# KiCad board plinkyblack_hwmidi_jacks.kicad_pcb (continued)
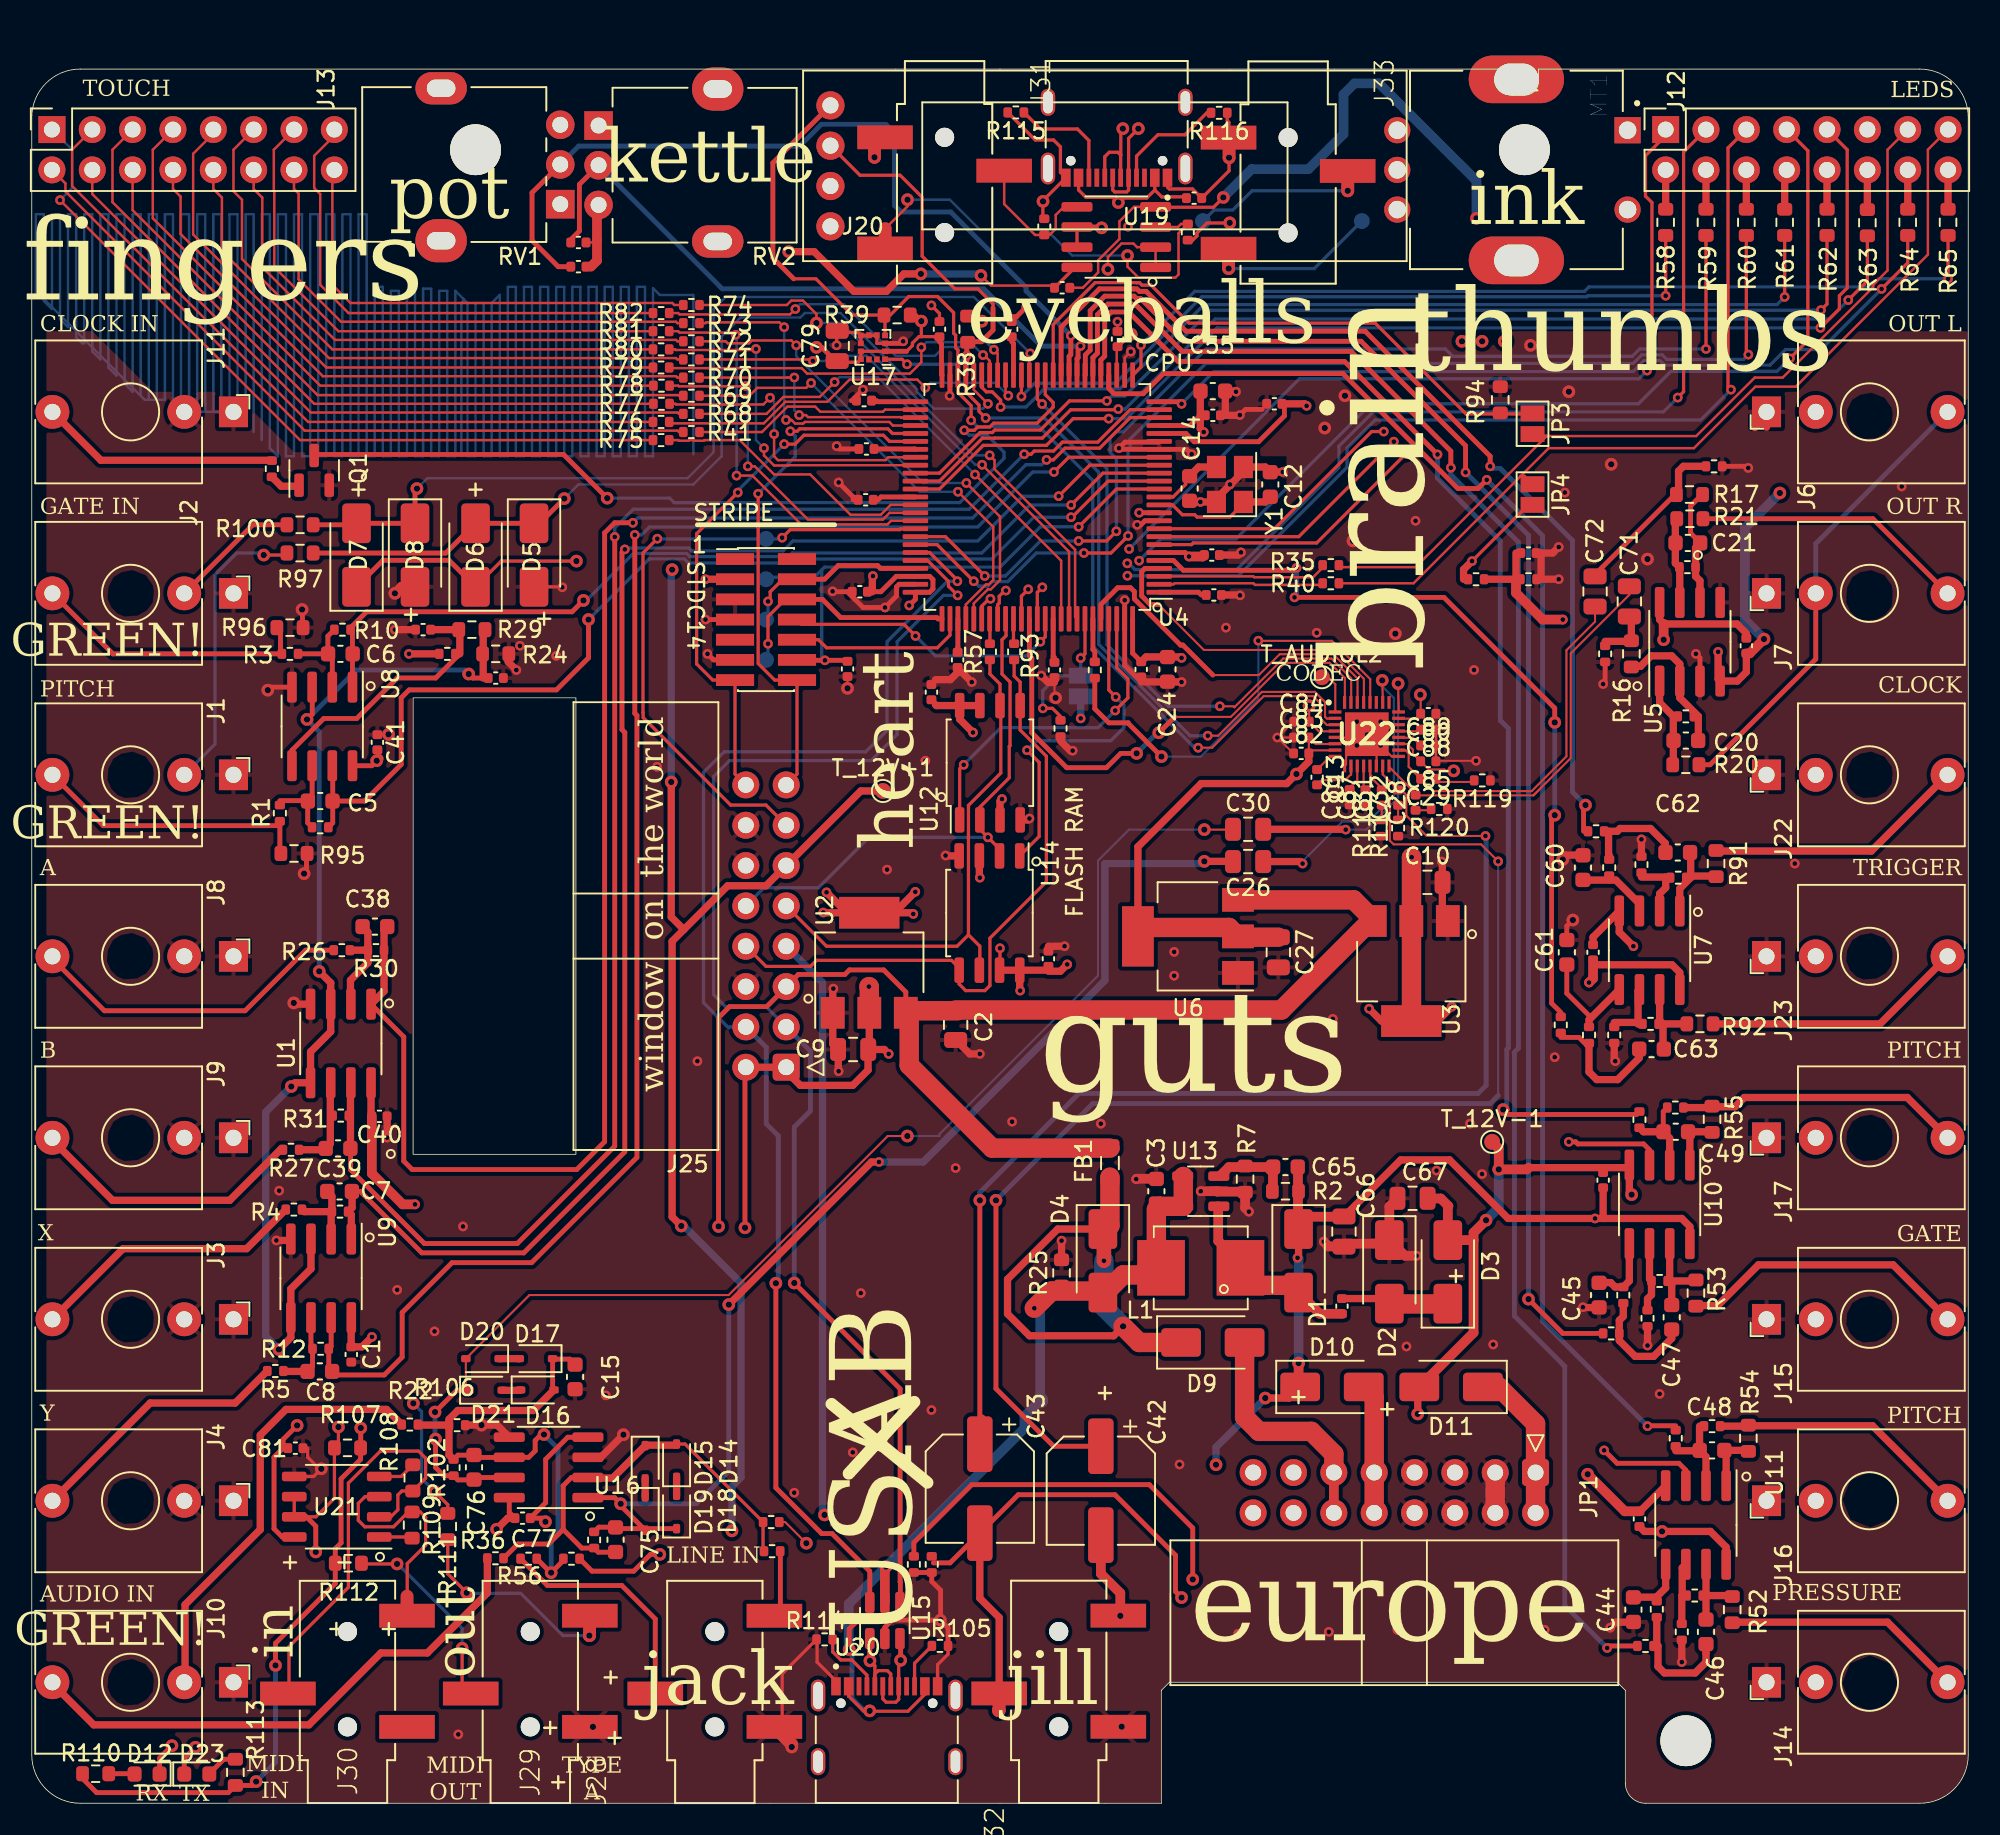
[diagram p0: board, top side]
## Routing (per net, layer and track width the routed paths; a pad name or vN(x,y) marks a point on that pad's centre or on a via; arc(x,y) is an arc through that point) (continued)
AOUT4: length 93.1
  Top w0.305: 98.93,29.59 96.39,29.59 v2(94.23,31.75) ; v1(90.27,83.82) 90.27,85.5 83.69,92.08 72.51,92.08 69.81,94.77 69.55,94.77 69.4,94.92 67.56,94.92 66.64,94 66.64,91.52 66.33,91.22 66.33,89.97 U4.32
  Bottom w0.305: v2(94.23,31.75) 94.23,79.86 v1(90.27,83.82)
AOUT5: length 61.9
  Top w0.305: v1(91.82,84.2) 91.82,84.84 83.95,92.71 72.67,92.71 70.16,95.22 69.73,95.22 69.58,95.37 69.38,95.37 69.38,95.38 67.22,95.38 64.81,92.97 U4.35 ; v2(97.82,62.87) 97.7,62.74 97.7,61.21
  Bottom w0.305: v2(97.82,62.87) 97,63.68 97,79.53 92.46,84.07 91.95,84.07 v1(91.82,84.2)
AOUT6: length 49.6
  Top w0.305: 96.27,49.81 95.69,50.39 95.69,62.03 v2(95.89,62.23) ; v1(79.63,77.8) 79.48,77.65 72.5,77.65 71.88,78.27 U4.5 ; v2(95.89,68.07) 95.89,68.97 88.91,75.95 v1(79.5,75.95)
  Bottom w0.305: v1(79.5,75.95) 79.63,76.07 v1(79.63,77.8) ; v2(95.89,68.07) v2(95.89,62.23)
CC2: length 3
  Top w0.203: U20.B5 55.58,8.82 R105.1
CLKIN: length 57.7
  Top w0.203: v1(58.71,86.47) 59.34,86.47 59.56,86.68 60.32,86.68 60.56,86.92 63.3,86.92 64.31,87.93 64.31,88.22 63.81,88.72 U4.37
  Top w0.305: 17.78,84.95 33.48,84.95 v2(36.23,82.2)
  Bottom w0.203: v1(58.71,86.47) 59.01,86.17 60.14,86.17 61.21,85.09 61.21,84.71 58.42,81.91 40.45,81.91 40.16,82.2 v2(36.23,82.2)
DACDAT: length 32.6
  Top w0.13: 82.67,69.31 82.67,70.87 81.72,71.83 78.9,71.83 75.49,68.42 71.96,68.42
  Top w0.305: U4.87 62.81,72.27 62.96,72.12 62.96,67.42 65.16,65.22 67.66,65.22 68.56,66.12 v2(69.56,66.12) ; 71.96,68.42 v2(70.96,67.42)
  Bottom w0.305: v2(70.96,67.42) 70.86,67.42 v2(69.56,66.12)
DEBUG: length 40
  Top w0.203: v1(39.38,79.64) 38.48,78.74 38.48,68.69 38.49,68.68 38.49,68.37 44,62.87 46.23,62.87 J25.13 ; v1(47.24,79.71) 47.75,80.21 54.64,80.21 54.69,80.26 55.63,80.26
  Bottom w0.203: v1(47.24,79.71) 47.17,79.63 TPDEBUG1.1 39.4,79.63 v1(39.38,79.64)
DM: length 85.5
  Top w0.203: U4.70 56.53,78.77 58.28,77.03 v1(58.28,76.96)
  Top w0.305: v2(46.85,32.75) 46.85,19.87 49.73,16.99 50.38,16.99 52.76,14.61 U15.6
  Bottom w0.203: J25.4 43.94,48.9 43.88,48.83 42.29,50.42 42.29,64.92 43.59,66.22 52.5,66.22 53.85,67.56 53.85,73.15 57.66,76.96 v1(58.28,76.96)
  Bottom w0.305: v2(46.85,32.75) 47,32.91 47,42.03 46.24,42.79 46.24,47.61 J25.4
DM_C: length 204.7
  Top w0.203: v2(69.67,105.47) 69.06,104.86 U19.B7 69.06,101.6 68.93,101.48 68.18,101.48 68.06,101.6 U19.A7 ; v2(52.77,8.97) 53.08,8.66 U20.B7 53.08,8.14 53.29,8.35 53.87,8.35 54.08,8.14 U20.A7
  Top w0.305: v2(52.77,8.97) 52.76,8.98 U15.1
  In2.Cu w0.203: v2(52.77,8.97) 53.46,8.28 58.95,8.28 59.12,8.46 70.99,8.46 74.48,11.94 114.3,11.94 118.47,16.1 118.47,76.02 97.95,96.54 97.95,98.59 96.33,100.21 94.16,100.21 87.24,107.12 74.99,107.12 73.21,105.34 69.79,105.34 v2(69.67,105.47)
DP: length 86.5
  Top w0.203: v1(58.29,76.07) 57.72,76.65 57.72,76.95 56.4,78.27 U4.71
  Top w0.305: v2(48.01,32.77) 54.67,26.1 54.67,13.95 54.69,13.93 54.69,12.67
  Bottom w0.203: v1(58.29,76.07) 57.4,76.07 54.48,73.15 54.48,67.31 52.84,65.67 43.93,65.67 42.93,64.67 42.93,50.93 43.69,50.17 46.23,50.17 J25.3
  Bottom w0.305: J25.3 49.02,47.37 49.02,43.6 48.01,42.59 v2(48.01,32.77)
DP_C: length 202.1
  Top w0.203: U19.B6 67.56,103.7 67.84,103.98 68.38,103.98 68.56,103.8 ; U19.A6 68.56,103.79 68.56,103.8 ; 68.56,103.8 68.56,105.34 v2(68.69,105.47) ; U20.A6 53.58,6.57 53.79,6.36 54.4,6.36 54.58,6.55 U20.B6 54.58,8.88 v2(54.71,9)
  Top w0.305: 54.71,10.32 54.71,9.02
  In2.Cu w0.203: v2(54.71,9) 55.08,8.63 58.81,8.63 58.98,8.8 70.85,8.8 74.5,12.45 114.05,12.45 118.11,16.51 118.11,75.89 105.06,88.95 105.05,88.95 97.61,96.39 97.61,98.45 96.19,99.87 94.01,99.87 87.1,106.78 75.13,106.78 73.18,104.83 69.33,104.83 v2(68.69,105.47)
FSCLK: length 22.7
  Top w0.13: 74.36,71.06 77.26,71.06 78.57,72.37 81.94,72.37 83.47,70.83 83.47,69.31
  Top w0.305: 74.36,71.06 72.47,72.94 72.33,72.94 69.42,75.85 69.42,76.31 69.18,76.56 68.37,76.56 67.31,75.5 U4.96
HPFB: length 1149
  Top w0.13: 82.07,67.11 83.87,67.11 ; C88.1 C89.2 C85.1 ; C11.2 v2(51.36,70.22) ; v2(22.46,67.32) 22.44,67.3 C41.1 ; v1(84.92,66.62) 85.61,65.93 U22.17 ; 84.67,65.31 84.67,66.71 ; v1(78.42,67.12) C83.1 ; v1(78.42,67.12) 79.42,66.12 ; v1(78.42,67.12) 79.42,68.12 ; C56.1 64.39,69.69 v2(64.46,69.62) ; v1(83.42,66.62) 82.75,65.95 82.75,65.43 U22.9 ; 86.07,67.91 85.63,67.91 85.03,67.31 ; v1(90.93,65.65) 88.44,65.65
  Top w0.152: C19.2 v1(68.36,93.31) ; v1(69.19,91.43) 68.81,91.04 U4.27 ; 35.2,98.3 35.43,98.3 35.59,98.45
  Top w0.203: R114.1 47.25,8.16 47.25,5.3 ; R116.1 75.27,105.97 75.37,105.86 75.37,104.95 ; R103.2 73.09,98.45 73.36,98.71 73.36,98.9 73.99,99.53 75.41,99.53 v2(75.42,99.54) ; R105.2 57.69,9.39 57.03,8.73 U20.B1_A12 ; U21.5 17.75,20.58 v2(18.23,21.06) 18.11,21.06 17.37,21.8 17.37,22.36 ; U17.7 52.01,92.63 50.67,92.63 v1(50.67,91.82) ; U17.7 53.2,92.44 ; U17.7 U17.8 ; 57.15,93.62 57.15,93.83 v1(56.64,94.34) ; v2(75.38,103.64) 75.38,102.81 C74.1 73.08,101.67 71.62,101.67 71.51,101.78 U19.A1_B12 ; U17.3 53.22,91.94 53.21,91.95 U17.5 ; D6.2 33.37,76.61 v1(33.4,76.58) ; v2(47.85,3.54) 47.85,3.72 ; 63.66,99.88 63.66,100.93 U19.B1_A12 64.76,102.72 64.76,104.32 64.33,104.75 63.18,104.75 R115.2 ; 50.63,7.7 49.44,8.89 49.44,10.29
  Top w0.305: 106.71,84.2 107.97,84.2 v1(108.07,84.1) ; v1(76.06,87.43) 76.42,87.78 77.47,87.78 ; 72.9,82.02 73.52,82.02 v1(73.58,81.96) ; J5.7 v1(42.42,74.55) ; U15.2 53.71,11.08 54.16,11.53 v2(57.21,11.53) ; v1(69.6,80.52) 69.83,80.52 70.08,80.77 U4.10 ; v1(98.93,70.48) 99.06,70.61 99.06,71.6 ; 51.71,82.09 51.71,82.27 v1(50.8,83.19) ; U4.74 54.61,76.77 54.45,76.61 54.45,76.04 v1(53.72,75.31) 52.34,75.31 51.35,76.3 50.44,76.3 v1(50.42,76.33) ; 96.55,59.72 96.55,59.59 v2(96.39,59.44) ; v2(14.86,70.1) 15.05,70.29 16.38,70.29 ; U17.3 54.73,91.94 v1(54.86,92.08) ; R105.2 57.69,11.05 v2(57.21,11.53) ; 17.3,59.82 17.3,58.7 v2(17.14,58.55) ; v1(73.03,84.96) 72.72,85.27 U4.19 68.53,85.27 v1(68.45,85.34) 68.83,85.72 70.94,85.72 U4.20 ; v2(57.21,11.53) 57.22,11.55 57.22,13.41 56.66,13.97 R32.2 R33.2 ; 69.85,70.62 68.81,71.67 U4.99 68.81,75.76 v1(68.81,75.77) ; v1(104.78,72.39) 105.03,72.14 U5.3 ; v2(17.02,75.18) 17.04,75.16 17.04,74.04 ; 51.77,85.29 50.85,85.29 v1(50.67,85.47) ; v2(97.03,55.63) 96.65,55.25 96.65,54.38 ; 61.7,93.62 62,93.62 v1(62.61,94.23) ; v1(57.79,88.65) 57.81,88.67 U4.49 ; v1(42.54,72.39) 42.93,72.01 J5.11 ; 51.61,88.34 51.64,88.34 v1(52.32,89.03)
  Top w0.457: Y1.4 v1(73.58,81.96) ; 64.01,53.98 v1(65.02,53.98) ; v1(50.8,46.1) 50.78,46.12 50.78,47.47 50.43,47.82 U2.1 50.43,51.27 v1(50.47,51.31) ; v1(75.82,88.9) 75.78,88.94 75.15,88.94 75.15,87.41 76.05,87.41 v1(76.06,87.43) ; 105.03,69.88 U5.3 ; 69.85,70.62 72.38,70.62 v1(72.39,70.61) ; v2(16.5,50.4) 16.57,50.33 U1.4 ; v1(22.37,41.92) C40.1 ; 64.39,70.59 63.99,70.59 v1(63.56,71.02) ; 23.85,73.91 v1(22.86,73.91) ; v1(99.38,11.05) 99.73,11.4 100.84,11.4 ; 98.68,31.22 97.69,31.22 v1(97.66,31.24) ; v1(99.7,46.74) 99.63,46.8 99.63,47.6 ; 108.48,86.64 109.22,87.38 109.22,86.68 ; 75.08,78.61 75.96,78.61 v1(76.13,78.78) ; v2(37.25,23.21) 35.82,21.79 U16.3 ; v1(59.69,47.19) 59.06,47.19 58.17,48.08 ; 75.21,76.1 76.05,76.1 v1(76.07,76.07) ; 74.59,82.17 76.29,83.87 ; v1(15.4,35.45) 16.22,35.45 U9.4 ; 56.9,70.76 57.84,70.76 58.29,71.22 58.57,71.22 v1(59.18,70.61) 59.16,70.59 ; 64.84,34.19 v1(64.84,35.43) ; 101.35,59.91 v1(101.35,60.71) ; v1(57.53,59.69) 57.55,59.67 U14.4 ; R67.1 v1(101.73,28.83) ; Y1.2 77.67,84.16 77.98,83.85 v1(78.77,83.85) ; U16.5 29.3,23.81 v2(28.31,23.81) 27.3,23.81 ; 97.66,59.72 96.55,59.72 96.52,59.69 ; 30,72.39 30,71.88 v1(30.51,71.37) ; v1(96.14,79.12) 95.76,78.74 95.02,78.74 95.02,77.09 v1(96.14,77.09) ; v1(88.77,59.31) 88.81,59.27 88.81,55.91 ; v1(65.53,66.29) 65.38,66.29 64.77,66.9 ; 103.89,10.01 v1(103.89,8.89) ; v1(62.81,62.02) 62.73,61.93 U12.4
  Top w0.61: v1(76.63,37.26) 76.39,37.5 76.39,38.55 ; 82.62,35.07 81.65,35.07 v1(81.34,35.37) ; 35.59,100.56 35.59,97.16 35.2,96.77 ; v2(22.86,76.2) 23.27,76.61 D8.2 ; 74.7,38.55 v1(73.6,38.55) ; 74.61,38.55 74.64,38.52 76.39,38.52 ; 85.25,35.24 82.62,35.24 ; 86,38.1 85.47,37.58 D2.1 86.46,34.48 v1(87.19,34.48) ; v1(69.53,39.31) 69.56,39.33 70.8,39.33
  Top w0.813: 53.06,104.26 v2(53.06,103.66) ; v2(75.38,103.64) 75.38,104.87 ; 47.85,3.72 J28.4
  Top w1.219: JP1.4 JP1.3
  In1.Cu w0.305: v1(69.6,80.52) 68.71,81.41 68.33,81.41
  Bottom w0.152: J11.TN 10.92,87.63 ; 10.92,87.63 10.92,100.08 10.41,100.08 10.41,88.27 ; 10.92,87.63 J11.S ; 27.18,94.74 27.43,94.49 27.43,84.84 27.94,84.84 27.94,94.49 28.45,94.49 28.45,84.84 28.96,84.84 28.96,94.49 29.46,95 29.46,84.84 29.97,84.84 29.97,95.5 30.48,95.5 30.48,84.84 30.99,84.84 30.99,95.5 31.5,95.5 31.5,84.84 32,84.84 32,95.5 32.51,95.5 32.51,84.84 33.02,84.84 33.02,95.5 33.53,95.5 33.53,84.84 34.04,84.84 34.04,95.5 34.54,95.5 34.54,84.84 35.05,84.84 35.05,95.5 35.56,95.5 35.56,84.84 36.07,84.84 36.07,95.5 36.58,95.5 36.58,84.84 37.08,84.84 37.08,95.5 37.59,95.5 37.59,84.84 38.1,84.84 38.1,95.5 38.61,95.5 38.61,84.84 39.12,84.84 39.12,95.41 39.53,95 41.66,95 41.66,84.96 ; 27.18,94.74 27.18,94.62 27.05,94.49 27.05,84.84 ; 27.18,94.74 26.67,95.25 26.67,84.84 26.16,84.84 26.16,95.25 25.65,95.25 25.65,84.84 25.15,84.84 25.15,95.39 24.64,95.39 24.64,84.84 24.13,84.84 24.13,95.25 23.62,94.74 23.62,84.84 23.11,84.84 23.11,95.25 22.61,95.25 22.61,84.84 22.1,84.84 22.1,95.5 21.59,95.5 21.59,84.84 21.08,84.84 21.08,100.08 20.57,100.08 20.57,84.84 20.07,84.84 20.07,100.08 19.56,100.08 19.56,84.84 19.05,84.84 19.05,100.08 18.54,100.08 18.54,84.84 18.03,84.84 18.03,100.08 17.53,100.08 17.53,84.84 17.02,84.84 17.02,100.08 16.51,100.08 16.51,84.84 16,84.84 16,100.08 15.49,100.08 15.49,84.84 14.99,85.34 14.99,100.08 14.48,100.08 14.48,85.85 ; 12.45,87.88 12.45,100.08 12.95,100.08 12.95,87.38 ; 8.89,88.14 8.89,100.08 8.38,100.08 8.38,88.39 7.11,88.39 0.51,95 0.25,95 0.25,100.08 0.76,100.08 0.76,94.62 1.27,94.11 1.27,100.08 1.78,100.08 1.78,93.47 2.29,92.96 2.29,100.08 2.79,100.08 2.79,92.33 3.17,91.95 3.3,91.95 3.3,100.08 3.81,100.08 3.81,91.44 4.32,90.93 4.32,100.08 4.83,100.08 4.83,90.42 5.33,89.92 5.33,100.08 5.84,100.08 5.84,89.41 6.35,88.9 6.35,100.08 6.86,100.08 6.86,88.65 ; 13.46,86.87 13.46,100.08 13.97,100.08 13.97,86.36 ; 10.16,53.72 10.41,53.98 ; 7.37,88.39 7.37,100.08 7.87,100.08 7.87,88.39 ; 9.4,88.14 9.4,100.08 9.91,100.08 9.91,88.27 ; 11.94,88.39 11.94,100.08 11.43,100.08 11.43,87.63
  Bottom w1.219: JP1.3 JP1.4
  vias: v1(15.58,38.58) v1(23.01,32.34) v1(25.36,29.72) v1(26.85,4.34) v1(27.15,36.33) v1(30.73,72.9) v1(33.02,72.26) v1(36.14,25.69) v1(39.37,65.28) v1(41.91,46.74) v1(48.01,19.56) v1(51.69,22.1) v1(52.2,32.13) v1(53.85,58.8) v1(56.26,65.66) v1(56.64,24.77) v1(58.17,40.01) v1(61.72,42.93) v1(67.31,42.8) v1(71.92,53.62) v1(71.92,52.12) v1(72.26,21.34) v1(75.18,74.04) v1(75.44,83.06) v1(75.95,10.67) v1(80.9,73.72) v1(81.66,10.8) v1(81.92,49.4) v1(83.42,68.12) v1(84.07,67.31) v1(84.92,68.12) v1(85.98,10.92) v1(86.55,28.77) v1(87.12,80.77) v1(88.44,39.85) v1(90.55,42.8) v1(90.68,11.05) v1(90.81,71.37) v1(91.31,39.63) v1(92.01,28.89) v1(95.25,10.92) v1(95.89,46.99) v1(96.52,82.55) v1(102.49,25.78) v1(111,59.18) v1(117.73,82.93) v2(35.33,4.81) v2(63.67,100.89) v2(68.62,4.82) v2(81.41,86.61) v2(82.68,88.65) v2(83.19,79.5) v2(85.85,73.66) v2(94.36,91.82) v2(96.77,88.9) v2(99.44,84.33) v2(101.73,78.36)
HPL: length 82.2
  Top w0.13: 84.99,63.93 84.25,64.67 U22.13 ; 84.27,65.31 84.27,64.78 84.35,64.7 ; v1(92.32,59.32) 91.25,60.39 85.74,60.39 85.5,60.63 85.5,62.42 85.51,62.43 85.51,63.31 C31.2
  Top w0.305: v2(60.71,37.97) 60.71,26.11 64.33,22.48 C42.1
  Bottom w0.13: v1(92.32,59.32) 92.32,44.58 92.33,44.58
  Bottom w0.305: 92.33,44.58 91.82,44.07 66.8,44.07 v2(60.71,37.97)
HPR: length 77.8
  Top w0.13: U22.15 85.05,64.8 85.91,63.94 ; 86.22,63.82 86.54,63.51 86.54,62.2 87.82,60.92 v1(91.52,60.92) ; 85.07,65.31 85.07,64.78
  Top w0.305: v2(59.69,37.97) C43.1
  Top w0.457: 59.82,22.23 59.82,24.26
  Bottom w0.305: v2(59.69,37.97) 59.69,38.47 65.93,44.7 91.06,44.7 91.57,45.21 91.57,60.88 v1(91.52,60.92)
IO1: length 41.8
  Top w0.203: U4.7 73.02,79.27 73.13,79.37 80.9,79.37 v1(86.52,84.99)
  In1.Cu w0.203: v2(92.71,92.08) 93.34,92.08 100.61,99.34 100.61,100.41
  In2.Cu w0.152: v2(92.71,92.08) 90.81,90.17 87,90.17 86.52,89.69 86.52,86.26
  In2.Cu w0.203: v1(86.52,84.99) 86.52,86.26
IO2: length 43.2
  Top w0.203: v1(85.76,85.76) 79.77,79.77 U4.8
  In1.Cu w0.203: 86.11,105.41 89.41,102.11 89.41,93.98 v2(91.31,92.08)
  In2.Cu w0.203: v1(85.76,85.76) 85.76,89.69 87.12,91.06 90.3,91.06 v2(91.31,92.08)
IO3: length 36.7
  Top w0.203: U4.9 78.24,80.27 84.36,86.39 v1(85.12,86.39)
  In1.Cu w0.203: 86.11,100.41 88.65,97.87 88.65,93.47 v2(90.04,92.08)
  In2.Cu w0.203: v2(90.04,92.08) 86.11,92.08 85.4,91.37 85.4,87.43 85.12,87.15 v1(85.12,86.39)
JTCK: length 13.8
  Top w0.203: v1(46.35,73.03) 46.35,74.74 47.43,75.82
  Top w0.305: J5.6 49.78,75.82 50.93,74.68 56.98,74.68 57.06,74.6 U4.76
  Bottom w0.203: v1(46.35,73.03) 46.35,72.14
JTDI: length 11.2
  Top w0.203: J5.10 49.53,73.28 50.04,72.77 57.01,72.77 57.81,73.57 U4.77
JTDO: length 18.2
  Top w0.203: U4.89 63.81,73.46 v1(63.5,73.15) ; J5.8 48.48,74.25 54.91,74.25 55.63,73.53
  Bottom w0.203: v1(63.5,73.15) 62.61,72.26 56.9,72.26 v1(55.64,73.52)
JTMS: length 10.7
  Top w0.203: 47.28,77.09 46.49,76.3 46.49,75.83 v1(46.35,75.69)
  Top w0.305: J5.4 49.91,77.09 50.77,77.95 53.25,77.95 53.43,77.77 U4.72
  Bottom w0.203: v1(46.35,75.69) 46.35,74.68
LINEINL: length 19.1
  Top w0.13: 85.07,69.31 v2(85.02,70.72)
  Top w0.457: 77.52,59.31 79.88,59.31 v1(80.01,59.18)
  Bottom w0.13: v2(85.02,70.72) 85.02,70.35 85.75,69.62 85.75,63.43 84.15,61.83 82.51,61.83 80.01,59.33 v1(80.01,59.18)
LINEINR: length 18.4
  Top w0.13: 86.07,68.71 v2(86.02,70.52)
  Top w0.457: v1(82.72,61.32) 82.7,61.34 77.52,61.34
  Bottom w0.13: v1(82.72,61.32) 84.02,61.32 86.02,63.32 v2(86.02,70.52)
LINEOUTL: length 26
  Top w0.13: 94.55,63.48 95.01,63.94 ; 94.55,63.48 95.01,63.94 ; 94.55,63.48 87.25,63.48 ; 95.01,63.94 96.89,65.82 96.89,72.42 100.58,76.11 C71.2 ; 85.45,65.27 87.12,63.6
LINEOUTR: length 23.2
  Top w0.13: 86.07,66.31 86.5,66.31 86.69,66.12 86.69,65.28 C29.2 88.22,63.75 94.43,63.75 96.62,65.94 96.62,72.62 98.42,74.42 C72.2
MCLK: length 27.9
  Top w0.13: v1(77.22,73.22) 77.23,73.21 81.86,73.21 84.27,70.8 84.27,69.31
  Top w0.305: 66.93,70.59 66.93,68.93 67.81,68.05 69.03,68.05 69.03,68.01 v2(71.12,65.92)
  Bottom w0.13: v2(71.12,65.92) 73.6,65.92 77.22,69.55 v1(77.22,73.22)
MISO: length 32.6
  Top w0.203: 59.69,61.34 60.96,60.07 ; U12.2 59.69,62.73 61.54,64.59 61.54,66.56 61.59,66.61 61.59,70.61 61.09,71.12 61.09,73.28 61.34,73.53 61.34,74.56
  Bottom w0.203: J25.10 46.1,57.66 49.53,57.66 52.7,60.83 v1(60.2,60.83)
MOSI: length 40.3
  Top w0.203: 58.42,52.58 57.91,53.09 49.4,53.09 49.02,52.7 46.23,52.7 J25.8 ; U14.5 58.39,51.59 58.8,51.18 60.01,51.18 60.32,51.5 60.32,54.48 63.88,58.04 63.88,65.94 62.23,67.59 U12.5 62.23,70.61 61.85,70.99 61.85,72.03
N1: length 63.8
  Top w0.203: 102.87,105.03 101.6,103.76 101.6,101.22 102.01,100.81 102.01,90.54 v1(101.7,90.23) ; 60.92,76.01 60.92,75.59 60.81,75.48 U4.83 ; 60.9,76.01 61.26,76.38 v1(61.33,76.38)
  In2.Cu w0.203: v1(61.33,76.38) 63.06,78.11 68.2,78.11 v1(69.09,78.99)
  Bottom w0.203: v1(101.7,90.23) 101.18,89.71 79.81,89.71 v1(69.09,78.99)
N2: length 66.9
  Top w0.203: J12.3 104,104 104,88.9 v1(103.63,88.53) ; v1(62.74,76.45) 62.31,76.03 U4.86
  In2.Cu w0.203: v1(62.74,76.45) 62.74,76.89 63.45,77.6 68.48,77.6 v1(68.98,78.09)
  Bottom w0.203: v1(103.63,88.53) 102.73,87.63 84.45,87.63 82.3,85.47 82.3,84.13 75.86,77.7 69.45,77.7 69.06,78.09 v1(68.98,78.09)
N3: length 68.3
  Top w0.203: v1(63.63,76.58) 63.31,76.26 U4.88 ; v1(106.98,89.03) 106.8,89.21 106.8,104.26 J12.5
  In2.Cu w0.203: v1(63.63,76.58) 64.05,77 68.68,77 v1(68.98,77.31)
  Bottom w0.203: v1(68.98,77.31) 75.97,77.31 82.8,84.14 82.8,85.34 84.58,87.12 105.07,87.12 v1(106.98,89.03)
N4: length 74.2
  Top w0.203: J12.7 111.82,104.08 111.82,92.13 v1(110.69,91) ; U4.81 59.81,75.4 60.27,75.86 v1(60.36,75.86)
  In2.Cu w0.203: v1(69.72,78.26) 69.72,77.22 68.83,76.33 64.39,76.33 63.88,75.82 60.45,75.82 60.38,75.9
  Bottom w0.203: v1(110.69,91) 109.88,90.19 103.2,90.19 101.16,88.14 84.33,88.14 75.82,79.63 71.09,79.63 v1(69.72,78.26)
N5: length 74.9
  Top w0.203: v1(67.8,87.2) 65.56,87.2 63.88,85.52 59.9,85.52 57.15,82.77 U4.62 ; J12.9 114.3,104.14 114.3,95.43 113.81,94.94 113.81,94.12 v1(112.61,92.92)
  Bottom w0.203: v1(67.8,87.2) 68.92,87.2 74.63,92.92 v1(112.61,92.92)
NRST: length 36.1
  Top w0.203: U4.14 68.29,82.77 v1(65.91,80.39)
  Top w0.305: 48.2,71.98 v1(49.94,71.98) 51.43,71.98
  Bottom w0.203: 46.23,77.22 49.28,77.22 49.73,77.67 ; 49.73,77.67 49.91,77.85 60.96,77.85 63.5,80.39 v1(65.91,80.39) ; 49.73,77.67 49.73,72.19 v1(49.94,71.98)
P1: length 48.4
  Top w0.203: U4.40 v1(62.31,88.6) ; 102.87,98.78 v1(102.87,94.95)
  Bottom w0.203: v1(102.87,94.95) 97.97,94.95 97.9,94.88 73.67,94.88 68.22,89.43 63.14,89.43 v1(62.31,88.6)
P2: length 68.3
  Top w0.203: 105.41,98.78 v1(105.41,91.59) ; v1(60,77.29) 57.52,79.77 U4.68 ; v1(65.91,79.5) 67.68,79.5 v1(68.29,80.11)
  Bottom w0.203: v1(68.29,80.11) 68.29,84.68 67.89,85.08 67.89,86 68.26,86.37 68.72,86.37 73.94,91.59 89,91.59 89.46,91.13 100.77,91.13 101.23,91.59 v1(105.41,91.59) ; v1(65.91,79.5) 63.5,79.5 61.29,77.29 v1(60,77.29)
P3: length 70.9
  Top w0.203: v1(66.24,78.74) 67.95,78.74 v1(69.02,79.82) ; v1(108.08,91.24) 107.95,91.36 107.95,98.78 ; U4.69 57,79.27 v1(59.31,76.96)
  Bottom w0.203: v1(69.02,79.82) 69.02,85.27 69.16,85.4 69.16,85.92 73.91,90.68 100.82,90.68 101.36,91.22 102.66,91.22 102.95,90.93 107.77,90.93 v1(108.08,91.24) ; v1(59.31,76.96) 59.61,76.66 60.19,76.66 60.47,76.94 61.44,76.94 63.24,78.74 v1(66.24,78.74)
P4: length 58.9
  Top w0.203: U4.45 59.81,89.18 60.1,88.89 60.47,88.89 61,88.37 v1(61,87.93) ; 110.36,98.78 v1(110.36,94.87)
  Bottom w0.203: v1(61,87.93) 62.6,87.93 63.74,89.08 68.5,89.08 73.81,94.39 109.88,94.39 v1(110.36,94.87)
P5: length 66.2
  Top w0.203: 113.03,98.78 113.03,94.42 v1(112.65,94.04) ; v1(67.69,88.32) 65.34,88.32 63.5,86.49 60.63,86.49 60.47,86.33 59.7,86.33 57.15,83.77 U4.60
  Bottom w0.203: v1(112.65,94.04) 112.21,94.04 112.21,94.03 74.22,94.03 68.81,88.63 67.99,88.63 v1(67.69,88.32)
P6: length 68
  Top w0.203: v1(114.37,94.67) 115.57,95.88 115.57,98.76 ; v1(68.4,87.81) 68.36,87.76 65.41,87.76 63.63,85.98 60.63,85.98 60.62,85.97 59.85,85.97 57.15,83.27 U4.61
  Bottom w0.203: v1(114.37,94.67) 113.17,93.48 74.51,93.48 68.84,87.81 v1(68.4,87.81)
P7: length 52.9
  Top w0.203: 118.11,98.78 118.11,97.02 v1(116.46,95.37)
  Top w0.305: v1(72.39,88.14) 72.26,88.27 U4.25
  Bottom w0.203: v1(116.46,95.37) 112.65,91.56 110.42,91.56 109.44,90.57 102.8,90.57 102.51,90.87 101.51,90.87 100.81,90.17 74.42,90.17 v1(72.39,88.14)
P8: length 57.4
  Top w0.203: 120.65,98.78 v1(120.65,96.01) ; U4.26 69.84,90.47 v1(69.84,91.84)
  Bottom w0.203: v1(69.84,91.84) 73.22,95.22 97.76,95.22 98.04,95.5 115.77,95.5 116.27,96.01 v1(120.65,96.01)
POT1: length 42.3
  Top w0.305: U4.33 65.81,90.98 65.88,91.05 65.88,91.62 v1(66.03,91.77) ; RV2.2 34.48,101.96 34.48,99.02 34.01,98.55
  Bottom w0.305: RV2.2 43.47,95.38 59.94,95.38 63.55,91.77 v1(66.03,91.77)
POT2: length 52.4
  Top w0.305: 33.63,96.77 33.15,96.77 31.5,98.43 31.5,101.43 RV1.2 ; U4.34 65.31,91.13 65.42,91.23 v1(65.42,92.43)
  Bottom w0.305: RV1.2 34.43,104.37 48.34,104.37 49.71,105.74 53.77,105.74 54.33,105.19 54.33,100.62 54.73,100.22 57.85,100.22 62.6,95.47 62.6,95.25 v1(65.42,92.43)
RX: length 122.6
  Top w0.203: U4.56 54.01,85.77 53.62,86.16 48.62,86.16 48.06,85.6 v1(47.37,85.6) ; v2(19.31,23.7) 19.31,22.63 ; v1(44.45,82.55) 41.86,79.96 41.86,71.75 42.87,70.74 J5.13 44.28,64.81 J25.16 ; R107.1 19.06,19.21 17.89,18.04 U21.7 U21.6
  Top w0.305: U21.7 17.29,18.04 17.88,17.45 v2(17.88,15.83) ; D12.1 8.05,2.85 v2(8.82,3.63)
  In1.Cu w0.203: v2(19.31,23.7) 21.76,26.15 24.12,26.15 39.04,41.07 39.04,59.89 43.29,64.14 J25.16
  In1.Cu w0.305: v2(8.82,3.63) 9.41,4.22 10.59,4.22 10.61,4.2 16.7,4.2 18.64,6.14 18.64,9.21 17.88,9.97 v2(17.88,15.83)
  Bottom w0.203: v1(44.45,82.55) 44.45,82.68 v1(47.37,85.6)
SCL: length 69.9
  Top w0.13: v1(74.04,67.23) 74.69,67.23 77.45,70 80.79,70 81.42,69.36 81.42,68.43 81.54,68.31 82.07,68.31
  Top w0.203: v1(55.11,90.63) 54.79,90.94 U17.1 ; v1(60.06,87.24) 59.64,87.66 59.64,88.06 58.81,88.89 U4.47 ; 60.52,94.16 60.52,94.42 59.57,95.38 58.12,95.38 56.06,97.43 56.06,101.15 54.68,102.53 52.15,102.53 J20.2
  Top w0.305: 58.93,92.05 59.79,92.05 60.52,92.78 60.52,94.16 ; 58.87,91.99 58.87,90.82 58.81,90.77 U4.47
  Bottom w0.203: v1(74.04,67.23) 72.93,67.23 67.18,72.99 67.18,83.83 63.76,87.24 v1(60.06,87.24) ; v1(58.87,91.18) 58.32,90.63 v1(55.11,90.63)
SCLK: length 20.4
  Top w0.13: 70.93,75.5 73.8,72.64 82.05,72.64 83.87,70.82 83.87,69.31
  Top w0.305: 70.93,75.5 70.42,75.5 69.88,76.04 69.88,77.57 70.08,77.77 U4.4
SDA: length 73.6
  Top w0.13: 82.07,67.91 81.54,67.91 81.15,68.3 81.15,69.25 80.67,69.73 77.56,69.73 74.31,66.48 v1(73.44,66.48)
  Top w0.203: 47.97,96.01 49.37,96.01 51.65,93.73 54.05,93.73 55.22,94.89 57.02,94.89 58.04,93.88 58.04,92.58 58.17,92.46 58.17,91.67 58.31,91.52 U4.48 58.31,88.86 59.14,88.02 v1(59.14,87.1) ; U17.4 53.72,93.7
  Top w0.305: 47.97,96.01 46.66,97.32 46.66,103.31 J20.1
  Bottom w0.203: v1(73.44,66.48) 73.2,66.48 66.8,72.88 66.8,83.32 63.4,86.72 60.36,86.72 60.32,86.68 59.55,86.68 v1(59.14,87.1)
SENSE: length 60.4
  Top w0.152: v1(62.87,91.31) 62.81,91.26 U4.39
  Top w0.305: v2(24.25,82.8) 24.13,82.68 D8.1 D7.2 ; 17.68,80.52 20.35,80.52
  Bottom w0.152: v1(62.87,91.31) 59.31,94.87 43.69,94.87 42.93,94.11 42.93,85.09 41.29,83.46 24.91,83.46 v2(24.25,82.8)
SENSE2: length 57.5
  Top w0.152: U4.46 59.31,89.03 v1(60.2,88.14)
  Top w0.305: 17.91,78.74 26.07,78.74 D5.2 D6.1 ; 31.97,80.61 v2(33.53,82.17)
  Bottom w0.152: v2(33.53,82.17) 34.42,83.06 41.66,83.06 43.43,84.84 43.43,92.38 44.63,93.57 48.39,93.57 48.67,93.85 50.93,93.85 55.73,89.05 55.73,88.9 56.79,87.83 59.89,87.83 v1(60.2,88.14)
SPICLK: length 33.8
  Top w0.203: 59.69,52.45 59.69,53.98 58.97,54.69 ; 58.97,54.69 58.26,53.98 50.04,53.98 J25.9 ; 58.97,54.69 58.97,62.85 61.01,64.88 61.01,69.08 ; 60.32,72.03 60.32,71.12 60.96,70.48 60.96,69.09
SPICS: length 20.9
  Top w0.203: v1(68.21,68.82) 69.01,69.62 69.01,70.81 68.31,71.51 U4.98 ; v1(58.67,65.41) 58.42,65.15 U12.1
  Bottom w0.203: v1(68.21,68.82) 67.14,67.74 61.01,67.74 v1(58.67,65.41)
SPICS2: length 21.4
  Top w0.203: U14.1 63.42,60.89 63.42,65.56 v1(62.66,66.32) ; U4.97 67.81,70.11 v1(68.24,69.68)
  Bottom w0.203: v1(68.24,69.68) 68.76,69.16 68.76,67.74 67.94,66.92 63.26,66.92 v1(62.66,66.32)
T1: length 14.5
  Top w0.152: 42.01,86.36 45.97,86.36 47.57,87.96 49.33,87.96 49.65,87.64 53.59,87.64 53.72,87.77 U4.52
T2: length 32.2
  Top w0.152: 42.01,87.5 46.26,87.5 47.32,88.57 49.61,88.57 v1(50.55,89.51) ; v1(59.39,83.68) 64.81,78.26 U4.91